# Altium PCB PCB5.PcbDoc (part 3 of 16) (continued)
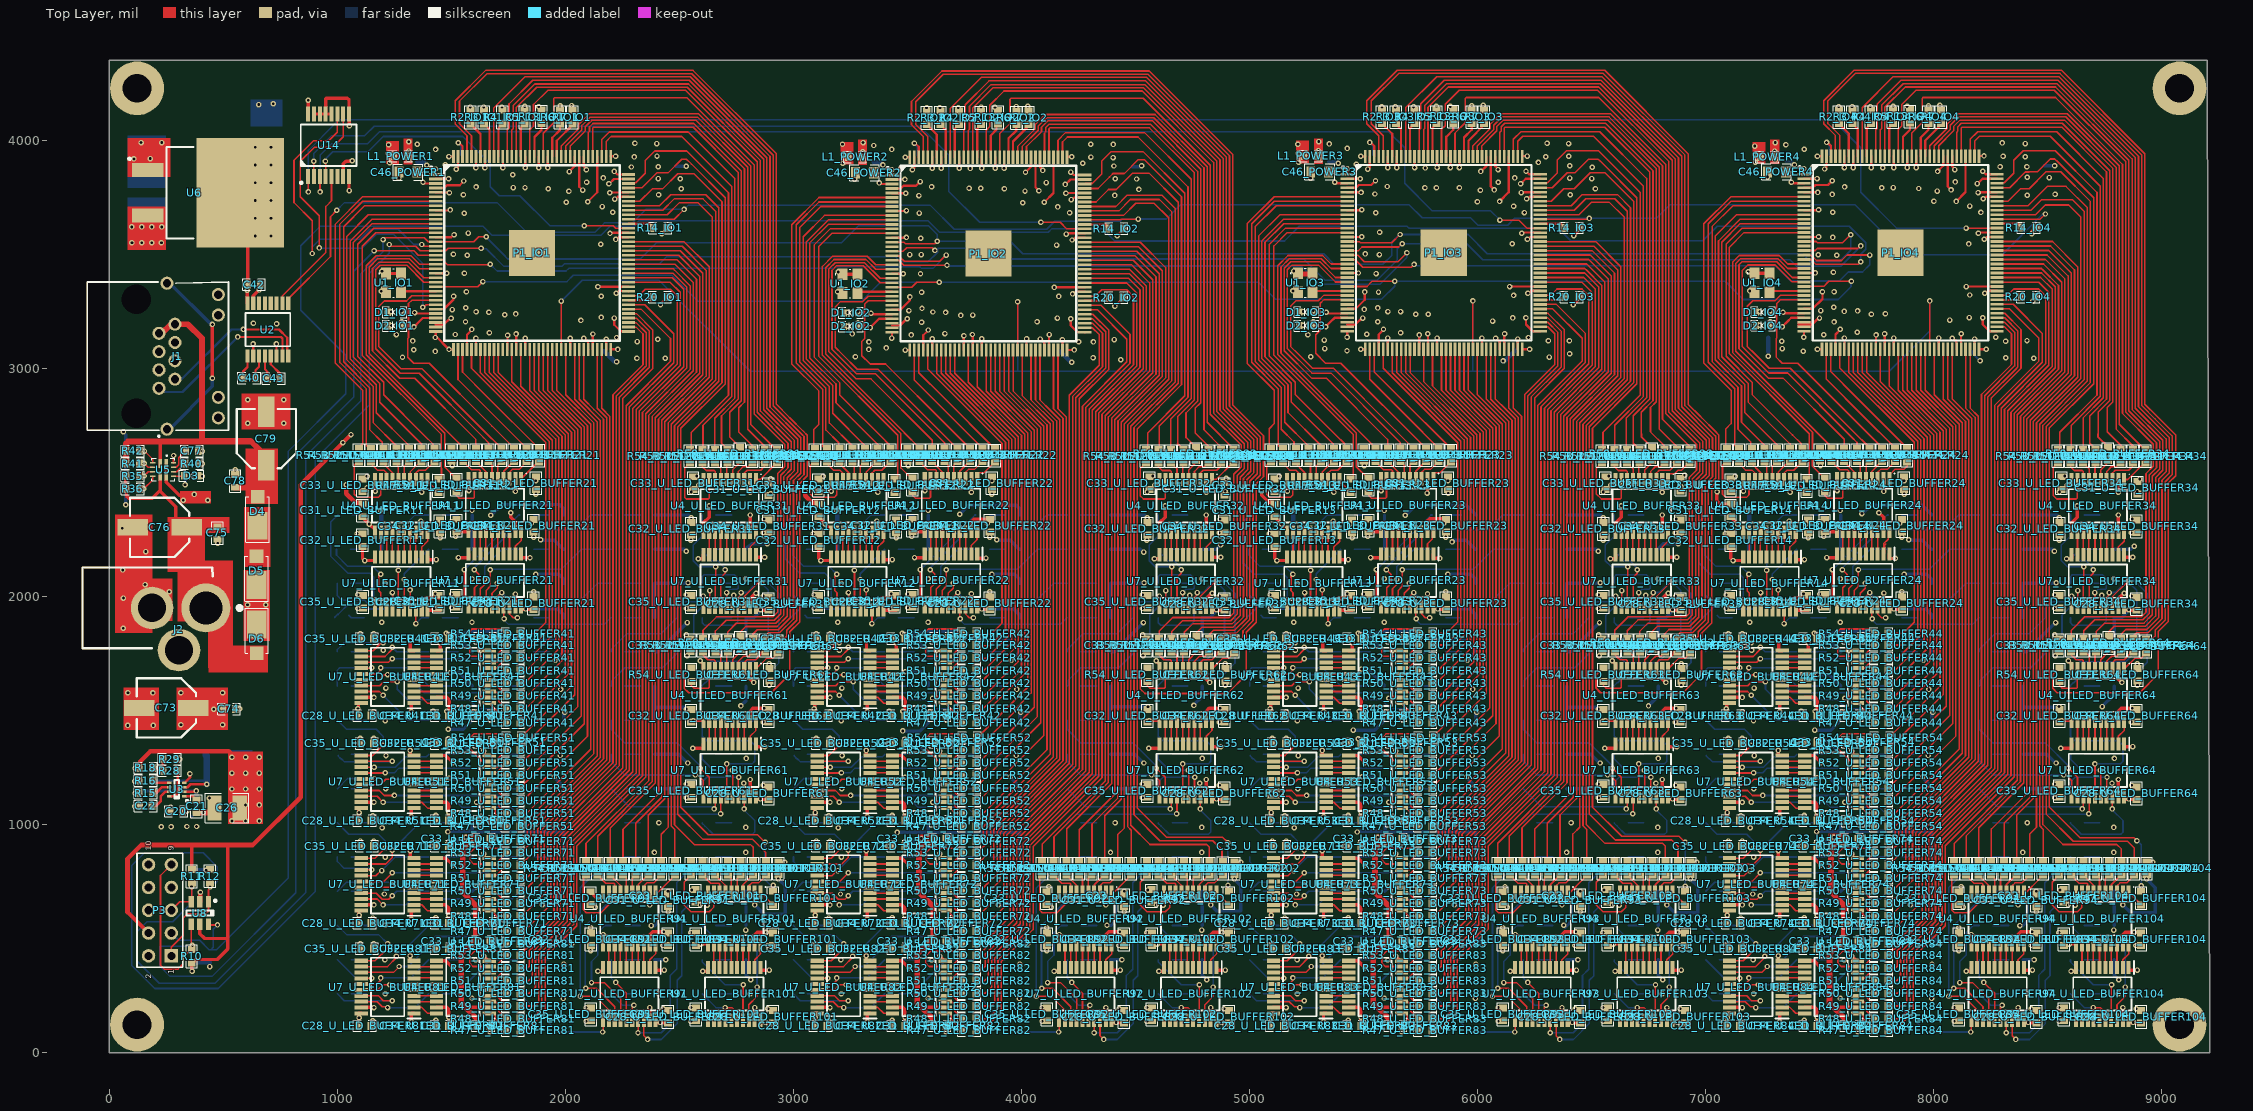
[diagram p0: Top Layer view]
## Components (designator, comment, footprint, x,y, rotation, side; value= is the part's Value field where it differs from the comment) (continued)
R19_U_LED_BUFFER33 "330R" 0603R 6630.63,1907.16 r0 bottom (schematic designator R19)
R19_U_LED_BUFFER34 "330R" 0603R 8630.63,1907.16 r0 bottom (schematic designator R19)
R19_U_LED_BUFFER41 "330R" 0603R 1830.63,1607.16 r0 bottom (schematic designator R19)
R19_U_LED_BUFFER42 "330R" 0603R 3830.63,1607.16 r0 bottom (schematic designator R19)
R19_U_LED_BUFFER43 "330R" 0603R 5830.63,1607.16 r0 bottom (schematic designator R19)
R19_U_LED_BUFFER44 "330R" 0603R 7830.63,1607.16 r0 bottom (schematic designator R19)
R19_U_LED_BUFFER51 "330R" 0603R 1430.63,1157.16 r0 bottom (schematic designator R19)
R19_U_LED_BUFFER52 "330R" 0603R 3430.63,1157.16 r0 bottom (schematic designator R19)
R19_U_LED_BUFFER53 "330R" 0603R 5430.63,1157.16 r0 bottom (schematic designator R19)
R19_U_LED_BUFFER54 "330R" 0603R 7430.63,1157.16 r0 bottom (schematic designator R19)
R19_U_LED_BUFFER61 "330R" 0603R 2630.63,1307.16 r0 bottom (schematic designator R19)
R19_U_LED_BUFFER62 "330R" 0603R 4630.63,1307.16 r0 bottom (schematic designator R19)
R19_U_LED_BUFFER63 "330R" 0603R 6630.63,1307.16 r0 bottom (schematic designator R19)
R19_U_LED_BUFFER64 "330R" 0603R 8630.63,1307.16 r0 bottom (schematic designator R19)
R19_U_LED_BUFFER71 "330R" 0603R 1030.63,707.16 r0 bottom (schematic designator R19)
R19_U_LED_BUFFER72 "330R" 0603R 3030.63,707.16 r0 bottom (schematic designator R19)
R19_U_LED_BUFFER73 "330R" 0603R 5030.63,707.16 r0 bottom (schematic designator R19)
R19_U_LED_BUFFER74 "330R" 0603R 7030.63,707.16 r0 bottom (schematic designator R19)
R19_U_LED_BUFFER81 "330R" 0603R 1830.63,407.16 r0 bottom (schematic designator R19)
R19_U_LED_BUFFER82 "330R" 0603R 3830.63,407.16 r0 bottom (schematic designator R19)
R19_U_LED_BUFFER83 "330R" 0603R 5830.63,407.16 r0 bottom (schematic designator R19)
R19_U_LED_BUFFER84 "330R" 0603R 7830.63,407.16 r0 bottom (schematic designator R19)
R19_U_LED_BUFFER91 "330R" 0603R 2230.63,257.16 r0 bottom (schematic designator R19)
R19_U_LED_BUFFER92 "330R" 0603R 4230.63,257.16 r0 bottom (schematic designator R19)
R19_U_LED_BUFFER93 "330R" 0603R 6230.63,257.16 r0 bottom (schematic designator R19)
R19_U_LED_BUFFER94 "330R" 0603R 8230.63,257.16 r0 bottom (schematic designator R19)
R19_U_LED_BUFFER101 "330R" 0603R 2630.63,257.16 r0 bottom (schematic designator R19)
R19_U_LED_BUFFER102 "330R" 0603R 4630.63,257.16 r0 bottom (schematic designator R19)
R19_U_LED_BUFFER103 "330R" 0603R 6630.63,257.16 r0 bottom (schematic designator R19)
R19_U_LED_BUFFER104 "330R" 0603R 8630.63,257.16 r0 bottom (schematic designator R19)
R20_IO1 "4.7K" 0603R 2414.83,3312.87 r180 top (schematic designator R20)
R20_IO2 "4.7K" 0603R 4415.93,3310.27 r180 top (schematic designator R20)
R20_IO3 "4.7K" 0603R 6412.83,3313.72 r180 top (schematic designator R20)
R20_IO4 "4.7K" 0603R 8415.83,3313.87 r180 top (schematic designator R20)
R21_IO1 "220R" 0603R 1303.83,3203.87 r180 bottom (schematic designator R21)
R21_IO2 "220R" 0603R 3304.93,3201.27 r180 bottom (schematic designator R21)
R21_IO3 "220R" 0603R 5301.83,3204.72 r180 bottom (schematic designator R21)
R21_IO4 "220R" 0603R 7304.83,3204.87 r180 bottom (schematic designator R21)
R22_U_LED_BUFFER11 "330R" 0603R 1430.63,2357.16 r0 bottom (schematic designator R22)
R22_U_LED_BUFFER12 "330R" 0603R 3430.63,2357.16 r0 bottom (schematic designator R22)
R22_U_LED_BUFFER13 "330R" 0603R 5430.63,2357.16 r0 bottom (schematic designator R22)
R22_U_LED_BUFFER14 "330R" 0603R 7430.63,2357.16 r0 bottom (schematic designator R22)
R22_U_LED_BUFFER21 "330R" 0603R 1830.63,2057.16 r0 bottom (schematic designator R22)
R22_U_LED_BUFFER22 "330R" 0603R 3830.63,2057.16 r0 bottom (schematic designator R22)
R22_U_LED_BUFFER23 "330R" 0603R 5830.63,2057.16 r0 bottom (schematic designator R22)
R22_U_LED_BUFFER24 "330R" 0603R 7830.63,2057.16 r0 bottom (schematic designator R22)
R22_U_LED_BUFFER31 "330R" 0603R 2630.63,2057.16 r0 bottom (schematic designator R22)
R22_U_LED_BUFFER32 "330R" 0603R 4630.63,2057.16 r0 bottom (schematic designator R22)
R22_U_LED_BUFFER33 "330R" 0603R 6630.63,2057.16 r0 bottom (schematic designator R22)
R22_U_LED_BUFFER34 "330R" 0603R 8630.63,2057.16 r0 bottom (schematic designator R22)
R22_U_LED_BUFFER41 "330R" 0603R 1430.63,1607.16 r0 bottom (schematic designator R22)
R22_U_LED_BUFFER42 "330R" 0603R 3430.63,1607.16 r0 bottom (schematic designator R22)
R22_U_LED_BUFFER43 "330R" 0603R 5430.63,1607.16 r0 bottom (schematic designator R22)
R22_U_LED_BUFFER44 "330R" 0603R 7430.63,1607.16 r0 bottom (schematic designator R22)
R22_U_LED_BUFFER51 "330R" 0603R 1030.63,1157.16 r0 bottom (schematic designator R22)
R22_U_LED_BUFFER52 "330R" 0603R 3030.63,1157.16 r0 bottom (schematic designator R22)
R22_U_LED_BUFFER53 "330R" 0603R 5030.63,1157.16 r0 bottom (schematic designator R22)
R22_U_LED_BUFFER54 "330R" 0603R 7030.63,1157.16 r0 bottom (schematic designator R22)
R22_U_LED_BUFFER61 "330R" 0603R 2630.63,1457.16 r0 bottom (schematic designator R22)
R22_U_LED_BUFFER62 "330R" 0603R 4630.63,1457.16 r0 bottom (schematic designator R22)
R22_U_LED_BUFFER63 "330R" 0603R 6630.63,1457.16 r0 bottom (schematic designator R22)
R22_U_LED_BUFFER64 "330R" 0603R 8630.63,1457.16 r0 bottom (schematic designator R22)
R22_U_LED_BUFFER71 "330R" 0603R 1830.63,857.16 r0 bottom (schematic designator R22)
R22_U_LED_BUFFER72 "330R" 0603R 3830.63,857.16 r0 bottom (schematic designator R22)
R22_U_LED_BUFFER73 "330R" 0603R 5830.63,857.16 r0 bottom (schematic designator R22)
R22_U_LED_BUFFER74 "330R" 0603R 7830.63,857.16 r0 bottom (schematic designator R22)
R22_U_LED_BUFFER81 "330R" 0603R 1430.63,407.16 r0 bottom (schematic designator R22)
R22_U_LED_BUFFER82 "330R" 0603R 3430.63,407.16 r0 bottom (schematic designator R22)
R22_U_LED_BUFFER83 "330R" 0603R 5430.63,407.16 r0 bottom (schematic designator R22)
R22_U_LED_BUFFER84 "330R" 0603R 7430.63,407.16 r0 bottom (schematic designator R22)
R22_U_LED_BUFFER91 "330R" 0603R 2230.63,407.16 r0 bottom (schematic designator R22)
R22_U_LED_BUFFER92 "330R" 0603R 4230.63,407.16 r0 bottom (schematic designator R22)
R22_U_LED_BUFFER93 "330R" 0603R 6230.63,407.16 r0 bottom (schematic designator R22)
R22_U_LED_BUFFER94 "330R" 0603R 8230.63,407.16 r0 bottom (schematic designator R22)
R23 "10K" 0603R 1926.13,3838.87 r90 bottom
R24 "10K" 0603R 2049.63,3729.97 r0 bottom
R25 "10K" 0603R 3924.83,3836.27 r90 bottom
R26_U_LED_BUFFER11 "330R" 0603R 1019.33,1906.72 r0 bottom (schematic designator R26)
R26_U_LED_BUFFER12 "330R" 0603R 3030.63,1907.17 r0 bottom (schematic designator R26)
R26_U_LED_BUFFER13 "330R" 0603R 5019.33,1906.72 r0 bottom (schematic designator R26)
R26_U_LED_BUFFER14 "330R" 0603R 7019.33,1906.72 r0 bottom (schematic designator R26)
R26_U_LED_BUFFER21 "330R" 0603R 2230.63,2207.16 r0 bottom (schematic designator R26)
R26_U_LED_BUFFER22 "330R" 0603R 4230.63,2207.16 r0 bottom (schematic designator R26)
R26_U_LED_BUFFER23 "330R" 0603R 6230.63,2207.16 r0 bottom (schematic designator R26)
R26_U_LED_BUFFER24 "330R" 0603R 8230.63,2207.16 r0 bottom (schematic designator R26)
R26_U_LED_BUFFER31 "330R" 0603R 2630.63,2207.16 r0 bottom (schematic designator R26)
R26_U_LED_BUFFER32 "330R" 0603R 4630.63,2207.16 r0 bottom (schematic designator R26)
R26_U_LED_BUFFER33 "330R" 0603R 6630.63,2207.16 r0 bottom (schematic designator R26)
R26_U_LED_BUFFER34 "330R" 0603R 8630.63,2207.16 r0 bottom (schematic designator R26)
R26_U_LED_BUFFER41 "330R" 0603R 1030.63,1607.16 r0 bottom (schematic designator R26)
R26_U_LED_BUFFER42 "330R" 0603R 3030.63,1607.16 r0 bottom (schematic designator R26)
R26_U_LED_BUFFER43 "330R" 0603R 5030.63,1607.16 r0 bottom (schematic designator R26)
R26_U_LED_BUFFER44 "330R" 0603R 7030.63,1607.16 r0 bottom (schematic designator R26)
R26_U_LED_BUFFER51 "330R" 0603R 1830.63,1307.16 r0 bottom (schematic designator R26)
R26_U_LED_BUFFER52 "330R" 0603R 3830.63,1307.16 r0 bottom (schematic designator R26)
R26_U_LED_BUFFER53 "330R" 0603R 5830.63,1307.16 r0 bottom (schematic designator R26)
R26_U_LED_BUFFER54 "330R" 0603R 7830.63,1307.16 r0 bottom (schematic designator R26)
R26_U_LED_BUFFER61 "330R" 0603R 2230.63,1007.16 r0 bottom (schematic designator R26)
R26_U_LED_BUFFER62 "330R" 0603R 4230.63,1007.16 r0 bottom (schematic designator R26)
R26_U_LED_BUFFER63 "330R" 0603R 6230.63,1007.16 r0 bottom (schematic designator R26)
R26_U_LED_BUFFER64 "330R" 0603R 8230.63,1007.16 r0 bottom (schematic designator R26)
R26_U_LED_BUFFER71 "330R" 0603R 1430.63,857.16 r0 bottom (schematic designator R26)
R26_U_LED_BUFFER72 "330R" 0603R 3430.63,857.16 r0 bottom (schematic designator R26)
R26_U_LED_BUFFER73 "330R" 0603R 5430.63,857.16 r0 bottom (schematic designator R26)
R26_U_LED_BUFFER74 "330R" 0603R 7430.63,857.16 r0 bottom (schematic designator R26)
R26_U_LED_BUFFER81 "330R" 0603R 1030.63,407.16 r0 bottom (schematic designator R26)
R26_U_LED_BUFFER82 "330R" 0603R 3030.63,407.16 r0 bottom (schematic designator R26)
R26_U_LED_BUFFER83 "330R" 0603R 5030.63,407.16 r0 bottom (schematic designator R26)
R26_U_LED_BUFFER84 "330R" 0603R 7030.63,407.16 r0 bottom (schematic designator R26)
R26_U_LED_BUFFER91 "330R" 0603R 2230.63,557.16 r0 bottom (schematic designator R26)
R26_U_LED_BUFFER92 "330R" 0603R 4230.63,557.16 r0 bottom (schematic designator R26)
R26_U_LED_BUFFER93 "330R" 0603R 6230.63,557.16 r0 bottom (schematic designator R26)
R26_U_LED_BUFFER94 "330R" 0603R 8230.63,557.16 r0 bottom (schematic designator R26)
R27_U_LED_BUFFER11 "330R" 0603R 1029.14,2057.16 r0 bottom (schematic designator R27)
R27_U_LED_BUFFER12 "330R" 0603R 3029.14,2057.16 r0 bottom (schematic designator R27)
R27_U_LED_BUFFER13 "330R" 0603R 5029.14,2057.16 r0 bottom (schematic designator R27)
R27_U_LED_BUFFER14 "330R" 0603R 7029.14,2057.16 r0 bottom (schematic designator R27)
R27_U_LED_BUFFER21 "330R" 0603R 1830.63,2207.16 r0 bottom (schematic designator R27)
R27_U_LED_BUFFER22 "330R" 0603R 3830.63,2207.16 r0 bottom (schematic designator R27)
R27_U_LED_BUFFER23 "330R" 0603R 5830.63,2207.16 r0 bottom (schematic designator R27)
R27_U_LED_BUFFER24 "330R" 0603R 7830.63,2207.16 r0 bottom (schematic designator R27)
R27_U_LED_BUFFER31 "330R" 0603R 2630.63,2357.16 r0 bottom (schematic designator R27)
R27_U_LED_BUFFER32 "330R" 0603R 4630.63,2357.16 r0 bottom (schematic designator R27)
R27_U_LED_BUFFER33 "330R" 0603R 6630.63,2357.16 r0 bottom (schematic designator R27)
R27_U_LED_BUFFER34 "330R" 0603R 8630.63,2357.16 r0 bottom (schematic designator R27)
R27_U_LED_BUFFER41 "330R" 0603R 1830.63,1757.16 r0 bottom (schematic designator R27)
R27_U_LED_BUFFER42 "330R" 0603R 3830.63,1757.16 r0 bottom (schematic designator R27)
R27_U_LED_BUFFER43 "330R" 0603R 5830.63,1757.16 r0 bottom (schematic designator R27)
R27_U_LED_BUFFER44 "330R" 0603R 7830.63,1757.16 r0 bottom (schematic designator R27)
R27_U_LED_BUFFER51 "330R" 0603R 1430.63,1307.16 r0 bottom (schematic designator R27)
R27_U_LED_BUFFER52 "330R" 0603R 3430.63,1307.16 r0 bottom (schematic designator R27)
R27_U_LED_BUFFER53 "330R" 0603R 5430.63,1307.16 r0 bottom (schematic designator R27)
R27_U_LED_BUFFER54 "330R" 0603R 7430.63,1307.16 r0 bottom (schematic designator R27)
R27_U_LED_BUFFER61 "330R" 0603R 2230.63,1157.16 r0 bottom (schematic designator R27)
R27_U_LED_BUFFER62 "330R" 0603R 4230.63,1157.16 r0 bottom (schematic designator R27)
R27_U_LED_BUFFER63 "330R" 0603R 6230.63,1157.16 r0 bottom (schematic designator R27)
R27_U_LED_BUFFER64 "330R" 0603R 8230.63,1157.16 r0 bottom (schematic designator R27)
R27_U_LED_BUFFER71 "330R" 0603R 1030.63,857.16 r0 bottom (schematic designator R27)
R27_U_LED_BUFFER72 "330R" 0603R 3030.63,857.16 r0 bottom (schematic designator R27)
R27_U_LED_BUFFER73 "330R" 0603R 5030.63,857.16 r0 bottom (schematic designator R27)
R27_U_LED_BUFFER74 "330R" 0603R 7030.63,857.16 r0 bottom (schematic designator R27)
R27_U_LED_BUFFER81 "330R" 0603R 1830.63,557.16 r0 bottom (schematic designator R27)
R27_U_LED_BUFFER82 "330R" 0603R 3830.63,557.16 r0 bottom (schematic designator R27)
R27_U_LED_BUFFER83 "330R" 0603R 5830.63,557.16 r0 bottom (schematic designator R27)
R27_U_LED_BUFFER84 "330R" 0603R 7830.63,557.16 r0 bottom (schematic designator R27)
R27_U_LED_BUFFER91 "330R" 0603R 2230.63,707.16 r0 bottom (schematic designator R27)
R27_U_LED_BUFFER92 "330R" 0603R 4230.63,707.16 r0 bottom (schematic designator R27)
R27_U_LED_BUFFER93 "330R" 0603R 6230.63,707.16 r0 bottom (schematic designator R27)
R27_U_LED_BUFFER94 "330R" 0603R 8230.63,707.16 r0 bottom (schematic designator R27)
R28 "10K" 0603R 265.77,1235.55 r180 top
R29 "7.68K" 0603R 265.77,1286.73 r180 top
R30 "10K" 0603R 4054.23,3726.07 r180 bottom
R31 "10K" 0603R 5921.93,3839.72 r270 bottom
R32 "10K" 0603R 6047.23,3730.57 r0 bottom
R33 "10K" 0603R 7933.43,3839.87 r270 bottom
R34 "10K" 0603R 8050.73,3732.87 r180 bottom
R35 "13K" 0603R 102.98,2527.27 r180 top
R36 "40.2K" 0603R 102.98,2471.74 r0 top
R37 "2K" 0603R 362.78,2527.84 r180 bottom
R38 "1K" 0603R 102.98,2527.27 r180 bottom
R39 "13K" 0603R 102.98,2471.74 r0 bottom
R40 "20K" 0603R 362.78,2582.81 r180 top
R41 "13K" 0603R 102.98,2582.81 r180 top
R42 "40.2K" 0603R 102.98,2638.34 r0 top
R43 "1K" 0603R 102.98,2582.81 r180 bottom
R44 "10K" 0603R 102.98,2638.34 r0 bottom
R45_U_LED_BUFFER11 "330R" 0603R 1030.63,2207.16 r0 bottom (schematic designator R45)
R45_U_LED_BUFFER12 "330R" 0603R 3030.63,2207.16 r0 bottom (schematic designator R45)
R45_U_LED_BUFFER13 "330R" 0603R 5030.63,2207.16 r0 bottom (schematic designator R45)
R45_U_LED_BUFFER14 "330R" 0603R 7030.63,2207.16 r0 bottom (schematic designator R45)
R45_U_LED_BUFFER21 "330R" 0603R 2230.63,2357.16 r0 bottom (schematic designator R45)
R45_U_LED_BUFFER22 "330R" 0603R 4230.63,2357.16 r0 bottom (schematic designator R45)
R45_U_LED_BUFFER23 "330R" 0603R 6230.63,2357.16 r0 bottom (schematic designator R45)
R45_U_LED_BUFFER24 "330R" 0603R 8230.63,2357.16 r0 bottom (schematic designator R45)
R45_U_LED_BUFFER31 "330R" 0603R 2230.63,1607.16 r0 bottom (schematic designator R45)
R45_U_LED_BUFFER32 "330R" 0603R 4230.63,1607.16 r0 bottom (schematic designator R45)
R45_U_LED_BUFFER33 "330R" 0603R 6230.63,1607.16 r0 bottom (schematic designator R45)
R45_U_LED_BUFFER34 "330R" 0603R 8230.63,1607.16 r0 bottom (schematic designator R45)
R45_U_LED_BUFFER41 "330R" 0603R 1430.63,1757.16 r0 bottom (schematic designator R45)
R45_U_LED_BUFFER42 "330R" 0603R 3430.63,1757.16 r0 bottom (schematic designator R45)
R45_U_LED_BUFFER43 "330R" 0603R 5430.63,1757.16 r0 bottom (schematic designator R45)
R45_U_LED_BUFFER44 "330R" 0603R 7430.63,1757.16 r0 bottom (schematic designator R45)
R45_U_LED_BUFFER51 "330R" 0603R 1030.63,1307.16 r0 bottom (schematic designator R45)
R45_U_LED_BUFFER52 "330R" 0603R 3030.63,1307.16 r0 bottom (schematic designator R45)
R45_U_LED_BUFFER53 "330R" 0603R 5030.63,1307.16 r0 bottom (schematic designator R45)
R45_U_LED_BUFFER54 "330R" 0603R 7030.63,1307.16 r0 bottom (schematic designator R45)
R45_U_LED_BUFFER61 "330R" 0603R 2230.63,1457.16 r0 bottom (schematic designator R45)
R45_U_LED_BUFFER62 "330R" 0603R 4230.63,1457.16 r0 bottom (schematic designator R45)
R45_U_LED_BUFFER63 "330R" 0603R 6230.63,1457.16 r0 bottom (schematic designator R45)
R45_U_LED_BUFFER64 "330R" 0603R 8230.63,1457.16 r0 bottom (schematic designator R45)
R45_U_LED_BUFFER71 "330R" 0603R 1430.63,1007.16 r0 bottom (schematic designator R45)
R45_U_LED_BUFFER72 "330R" 0603R 3430.63,1007.16 r0 bottom (schematic designator R45)
R45_U_LED_BUFFER73 "330R" 0603R 5430.63,1007.16 r0 bottom (schematic designator R45)
R45_U_LED_BUFFER74 "330R" 0603R 7430.63,1007.16 r0 bottom (schematic designator R45)
R45_U_LED_BUFFER81 "330R" 0603R 1430.63,557.16 r0 bottom (schematic designator R45)
R45_U_LED_BUFFER82 "330R" 0603R 3430.63,557.16 r0 bottom (schematic designator R45)
R45_U_LED_BUFFER83 "330R" 0603R 5430.63,557.16 r0 bottom (schematic designator R45)
R45_U_LED_BUFFER84 "330R" 0603R 7430.63,557.16 r0 bottom (schematic designator R45)
R45_U_LED_BUFFER91 "330R" 0603R 2230.63,857.16 r0 bottom (schematic designator R45)
R45_U_LED_BUFFER92 "330R" 0603R 4230.63,857.16 r0 bottom (schematic designator R45)
R45_U_LED_BUFFER93 "330R" 0603R 6230.63,857.16 r0 bottom (schematic designator R45)
R45_U_LED_BUFFER94 "330R" 0603R 8230.63,857.16 r0 bottom (schematic designator R45)
R46_U_LED_BUFFER11 "330R" 0603R 1033.33,2357.99 r0 bottom (schematic designator R46)
R46_U_LED_BUFFER12 "330R" 0603R 3033.33,2357.99 r0 bottom (schematic designator R46)
R46_U_LED_BUFFER13 "330R" 0603R 5033.33,2357.99 r0 bottom (schematic designator R46)
R46_U_LED_BUFFER14 "330R" 0603R 7033.33,2357.99 r0 bottom (schematic designator R46)
R46_U_LED_BUFFER21 "330R" 0603R 1830.63,2357.16 r0 bottom (schematic designator R46)
R46_U_LED_BUFFER22 "330R" 0603R 3830.63,2357.16 r0 bottom (schematic designator R46)
R46_U_LED_BUFFER23 "330R" 0603R 5830.63,2357.16 r0 bottom (schematic designator R46)
R46_U_LED_BUFFER24 "330R" 0603R 7830.63,2357.16 r0 bottom (schematic designator R46)
R46_U_LED_BUFFER31 "330R" 0603R 2230.63,1757.16 r0 bottom (schematic designator R46)
R46_U_LED_BUFFER32 "330R" 0603R 4230.63,1757.16 r0 bottom (schematic designator R46)
R46_U_LED_BUFFER33 "330R" 0603R 6230.63,1757.16 r0 bottom (schematic designator R46)
R46_U_LED_BUFFER34 "330R" 0603R 8230.63,1757.16 r0 bottom (schematic designator R46)
R46_U_LED_BUFFER41 "330R" 0603R 1030.63,1757.16 r0 bottom (schematic designator R46)
R46_U_LED_BUFFER42 "330R" 0603R 3030.63,1757.16 r0 bottom (schematic designator R46)
R46_U_LED_BUFFER43 "330R" 0603R 5030.63,1757.16 r0 bottom (schematic designator R46)
R46_U_LED_BUFFER44 "330R" 0603R 7030.63,1757.16 r0 bottom (schematic designator R46)
R46_U_LED_BUFFER51 "330R" 0603R 1030.63,1457.16 r0 bottom (schematic designator R46)
R46_U_LED_BUFFER52 "330R" 0603R 3030.63,1457.16 r0 bottom (schematic designator R46)
R46_U_LED_BUFFER53 "330R" 0603R 5030.63,1457.16 r0 bottom (schematic designator R46)
R46_U_LED_BUFFER54 "330R" 0603R 7030.63,1457.16 r0 bottom (schematic designator R46)
R46_U_LED_BUFFER61 "330R" 0603R 2230.63,1307.16 r0 bottom (schematic designator R46)
R46_U_LED_BUFFER62 "330R" 0603R 4230.63,1307.16 r0 bottom (schematic designator R46)
R46_U_LED_BUFFER63 "330R" 0603R 6230.63,1307.16 r0 bottom (schematic designator R46)
R46_U_LED_BUFFER64 "330R" 0603R 8230.63,1307.16 r0 bottom (schematic designator R46)
R46_U_LED_BUFFER71 "330R" 0603R 1030.63,1007.16 r0 bottom (schematic designator R46)
R46_U_LED_BUFFER72 "330R" 0603R 3030.63,1007.16 r0 bottom (schematic designator R46)
R46_U_LED_BUFFER73 "330R" 0603R 5030.63,1007.16 r0 bottom (schematic designator R46)
R46_U_LED_BUFFER74 "330R" 0603R 7030.63,1007.16 r0 bottom (schematic designator R46)
R46_U_LED_BUFFER81 "330R" 0603R 1030.63,557.16 r0 bottom (schematic designator R46)
R46_U_LED_BUFFER82 "330R" 0603R 3030.63,557.16 r0 bottom (schematic designator R46)
R46_U_LED_BUFFER83 "330R" 0603R 5030.63,557.16 r0 bottom (schematic designator R46)
R46_U_LED_BUFFER84 "330R" 0603R 7030.63,557.16 r0 bottom (schematic designator R46)
R46_U_LED_BUFFER91 "330R" 0603R 1830.63,257.16 r0 bottom (schematic designator R46)
R46_U_LED_BUFFER92 "330R" 0603R 3830.63,257.16 r0 bottom (schematic designator R46)
R46_U_LED_BUFFER93 "330R" 0603R 5830.63,257.16 r0 bottom (schematic designator R46)
R46_U_LED_BUFFER94 "330R" 0603R 7830.63,257.16 r0 bottom (schematic designator R46)
R47_U_LED_BUFFER11 "33R" 0603R 1443.9,2485.34 r270 top (schematic designator R47)
R47_U_LED_BUFFER12 "33R" 0603R 3443.9,2485.34 r270 top (schematic designator R47)
R47_U_LED_BUFFER13 "33R" 0603R 5443.9,2485.34 r270 top (schematic designator R47)
R47_U_LED_BUFFER14 "33R" 0603R 7443.9,2485.34 r270 top (schematic designator R47)
R47_U_LED_BUFFER21 "33R" 0603R 1884.27,2618.47 r270 top (schematic designator R47)
R47_U_LED_BUFFER22 "33R" 0603R 3884.27,2618.47 r270 top (schematic designator R47)
R47_U_LED_BUFFER23 "33R" 0603R 5884.27,2618.47 r270 top (schematic designator R47)
R47_U_LED_BUFFER24 "33R" 0603R 7884.27,2618.47 r270 top (schematic designator R47)
R47_U_LED_BUFFER31 "33R" 0603R 2929.2,2615.79 r270 top (schematic designator R47)
R47_U_LED_BUFFER32 "33R" 0603R 4929.2,2615.79 r270 top (schematic designator R47)
R47_U_LED_BUFFER33 "33R" 0603R 6929.2,2615.79 r270 top (schematic designator R47)
R47_U_LED_BUFFER34 "33R" 0603R 8929.2,2615.79 r270 top (schematic designator R47)
R47_U_LED_BUFFER41 "33R" 0603R 1770.63,1447.16 r180 top (schematic designator R47)
R47_U_LED_BUFFER42 "33R" 0603R 3770.63,1447.16 r180 top (schematic designator R47)
R47_U_LED_BUFFER43 "33R" 0603R 5770.63,1447.16 r180 top (schematic designator R47)
R47_U_LED_BUFFER44 "33R" 0603R 7770.63,1447.16 r180 top (schematic designator R47)
R47_U_LED_BUFFER51 "33R" 0603R 1769.83,992.06 r180 top (schematic designator R47)
R47_U_LED_BUFFER52 "33R" 0603R 3769.83,992.06 r180 top (schematic designator R47)
R47_U_LED_BUFFER53 "33R" 0603R 5769.83,992.06 r180 top (schematic designator R47)
R47_U_LED_BUFFER54 "33R" 0603R 7769.83,992.06 r180 top (schematic designator R47)
R47_U_LED_BUFFER61 "33R" 0603R 2931.24,1781.05 r270 top (schematic designator R47)
R47_U_LED_BUFFER62 "33R" 0603R 4931.24,1781.05 r270 top (schematic designator R47)
R47_U_LED_BUFFER63 "33R" 0603R 6931.24,1781.05 r270 top (schematic designator R47)
R47_U_LED_BUFFER64 "33R" 0603R 8931.24,1781.05 r270 top (schematic designator R47)
R47_U_LED_BUFFER71 "33R" 0603R 1771.15,532.39 r180 top (schematic designator R47)
R47_U_LED_BUFFER72 "33R" 0603R 3771.15,532.39 r180 top (schematic designator R47)
R47_U_LED_BUFFER73 "33R" 0603R 5771.15,532.39 r180 top (schematic designator R47)
R47_U_LED_BUFFER74 "33R" 0603R 7771.15,532.39 r180 top (schematic designator R47)
R47_U_LED_BUFFER81 "33R" 0603R 1770.63,97.16 r180 top (schematic designator R47)
R47_U_LED_BUFFER82 "33R" 0603R 3770.63,97.16 r180 top (schematic designator R47)
R47_U_LED_BUFFER83 "33R" 0603R 5770.63,97.16 r180 top (schematic designator R47)
R47_U_LED_BUFFER84 "33R" 0603R 7770.63,97.16 r180 top (schematic designator R47)
R47_U_LED_BUFFER91 "33R" 0603R 2480.63,807.16 r270 top (schematic designator R47)
R47_U_LED_BUFFER92 "33R" 0603R 4480.63,807.16 r270 top (schematic designator R47)
R47_U_LED_BUFFER93 "33R" 0603R 6480.63,807.16 r270 top (schematic designator R47)
R47_U_LED_BUFFER94 "33R" 0603R 8480.63,807.16 r270 top (schematic designator R47)
R47_U_LED_BUFFER101 "33R" 0603R 2910.63,677.16 r270 top (schematic designator R47)
R47_U_LED_BUFFER102 "33R" 0603R 4910.63,677.16 r270 top (schematic designator R47)
R47_U_LED_BUFFER103 "33R" 0603R 6910.63,677.16 r270 top (schematic designator R47)
R47_U_LED_BUFFER104 "33R" 0603R 8910.63,677.16 r270 top (schematic designator R47)
R48_U_LED_BUFFER11 "33R" 0603R 1425.51,2619.83 r270 top (schematic designator R48)
R48_U_LED_BUFFER12 "33R" 0603R 3425.51,2619.83 r270 top (schematic designator R48)
R48_U_LED_BUFFER13 "33R" 0603R 5425.51,2619.83 r270 top (schematic designator R48)
R48_U_LED_BUFFER14 "33R" 0603R 7425.51,2619.83 r270 top (schematic designator R48)
R48_U_LED_BUFFER21 "33R" 0603R 1830.12,2620.5 r270 top (schematic designator R48)
R48_U_LED_BUFFER22 "33R" 0603R 3830.12,2620.5 r270 top (schematic designator R48)
R48_U_LED_BUFFER23 "33R" 0603R 5830.12,2620.5 r270 top (schematic designator R48)
R48_U_LED_BUFFER24 "33R" 0603R 7830.12,2620.5 r270 top (schematic designator R48)
R48_U_LED_BUFFER31 "33R" 0603R 2874.49,2615.79 r270 top (schematic designator R48)
R48_U_LED_BUFFER32 "33R" 0603R 4874.49,2615.79 r270 top (schematic designator R48)
R48_U_LED_BUFFER33 "33R" 0603R 6874.49,2615.79 r270 top (schematic designator R48)
R48_U_LED_BUFFER34 "33R" 0603R 8874.49,2615.79 r270 top (schematic designator R48)
R48_U_LED_BUFFER41 "33R" 0603R 1770.63,1508.28 r180 top (schematic designator R48)
R48_U_LED_BUFFER42 "33R" 0603R 3770.63,1508.28 r180 top (schematic designator R48)
R48_U_LED_BUFFER43 "33R" 0603R 5770.63,1508.28 r180 top (schematic designator R48)
R48_U_LED_BUFFER44 "33R" 0603R 7770.63,1508.28 r180 top (schematic designator R48)
R48_U_LED_BUFFER51 "33R" 0603R 1770.63,1048.28 r180 top (schematic designator R48)
R48_U_LED_BUFFER52 "33R" 0603R 3770.63,1048.28 r180 top (schematic designator R48)
R48_U_LED_BUFFER53 "33R" 0603R 5770.63,1048.28 r180 top (schematic designator R48)
R48_U_LED_BUFFER54 "33R" 0603R 7770.63,1048.28 r180 top (schematic designator R48)
R48_U_LED_BUFFER61 "33R" 0603R 2876.64,1786.05 r270 top (schematic designator R48)
R48_U_LED_BUFFER62 "33R" 0603R 4876.64,1786.05 r270 top (schematic designator R48)
R48_U_LED_BUFFER63 "33R" 0603R 6876.64,1786.05 r270 top (schematic designator R48)
R48_U_LED_BUFFER64 "33R" 0603R 8876.64,1786.05 r270 top (schematic designator R48)
R48_U_LED_BUFFER71 "33R" 0603R 1770.63,598.28 r180 top (schematic designator R48)
R48_U_LED_BUFFER72 "33R" 0603R 3770.63,598.28 r180 top (schematic designator R48)
R48_U_LED_BUFFER73 "33R" 0603R 5770.63,598.28 r180 top (schematic designator R48)
R48_U_LED_BUFFER74 "33R" 0603R 7770.63,598.28 r180 top (schematic designator R48)
R48_U_LED_BUFFER81 "33R" 0603R 1770.63,148.28 r180 top (schematic designator R48)
R48_U_LED_BUFFER82 "33R" 0603R 3770.63,148.28 r180 top (schematic designator R48)
R48_U_LED_BUFFER83 "33R" 0603R 5770.63,148.28 r180 top (schematic designator R48)
R48_U_LED_BUFFER84 "33R" 0603R 7770.63,148.28 r180 top (schematic designator R48)
R48_U_LED_BUFFER91 "33R" 0603R 2419.52,807.16 r270 top (schematic designator R48)
R48_U_LED_BUFFER92 "33R" 0603R 4419.52,807.16 r270 top (schematic designator R48)
R48_U_LED_BUFFER93 "33R" 0603R 6419.52,807.16 r270 top (schematic designator R48)
R48_U_LED_BUFFER94 "33R" 0603R 8419.52,807.16 r270 top (schematic designator R48)
R48_U_LED_BUFFER101 "33R" 0603R 2879.52,807.16 r270 top (schematic designator R48)
R48_U_LED_BUFFER102 "33R" 0603R 4883.6,808 r270 top (schematic designator R48)
R48_U_LED_BUFFER103 "33R" 0603R 6879.52,807.16 r270 top (schematic designator R48)
R48_U_LED_BUFFER104 "33R" 0603R 8879.52,807.16 r270 top (schematic designator R48)
R49_U_LED_BUFFER11 "33R" 0603R 1369.95,2619.83 r270 top (schematic designator R49)
R49_U_LED_BUFFER12 "33R" 0603R 3369.95,2619.83 r270 top (schematic designator R49)
R49_U_LED_BUFFER13 "33R" 0603R 5369.95,2619.83 r270 top (schematic designator R49)
R49_U_LED_BUFFER14 "33R" 0603R 7369.95,2619.83 r270 top (schematic designator R49)
R49_U_LED_BUFFER21 "33R" 0603R 1774.56,2620.5 r270 top (schematic designator R49)
R49_U_LED_BUFFER22 "33R" 0603R 3774.56,2620.5 r270 top (schematic designator R49)
R49_U_LED_BUFFER23 "33R" 0603R 5774.56,2620.5 r270 top (schematic designator R49)
R49_U_LED_BUFFER24 "33R" 0603R 7774.56,2620.5 r270 top (schematic designator R49)
R49_U_LED_BUFFER31 "33R" 0603R 2819.77,2615.79 r270 top (schematic designator R49)
R49_U_LED_BUFFER32 "33R" 0603R 4819.77,2615.79 r270 top (schematic designator R49)
R49_U_LED_BUFFER33 "33R" 0603R 6819.77,2615.79 r270 top (schematic designator R49)
R49_U_LED_BUFFER34 "33R" 0603R 8819.77,2615.79 r270 top (schematic designator R49)
R49_U_LED_BUFFER41 "33R" 0603R 1770.63,1563.83 r180 top (schematic designator R49)
R49_U_LED_BUFFER42 "33R" 0603R 3770.63,1563.83 r180 top (schematic designator R49)
R49_U_LED_BUFFER43 "33R" 0603R 5770.63,1563.83 r180 top (schematic designator R49)
R49_U_LED_BUFFER44 "33R" 0603R 7770.63,1563.83 r180 top (schematic designator R49)
R49_U_LED_BUFFER51 "33R" 0603R 1770.63,1103.83 r180 top (schematic designator R49)
R49_U_LED_BUFFER52 "33R" 0603R 3770.63,1103.83 r180 top (schematic designator R49)
R49_U_LED_BUFFER53 "33R" 0603R 5770.63,1103.83 r180 top (schematic designator R49)
R49_U_LED_BUFFER54 "33R" 0603R 7770.63,1103.83 r180 top (schematic designator R49)